# Altium PCB MotorDriver.PcbDoc
Units mil, origin at the board's own origin, x right, y up, seen from the top; angles counter-clockwise.
Board outline 2500.12 x 1320.03 mil, 2 copper layers (Top Layer, Bottom Layer); 36 components, 26 nets, 119 pads, 58 vias.
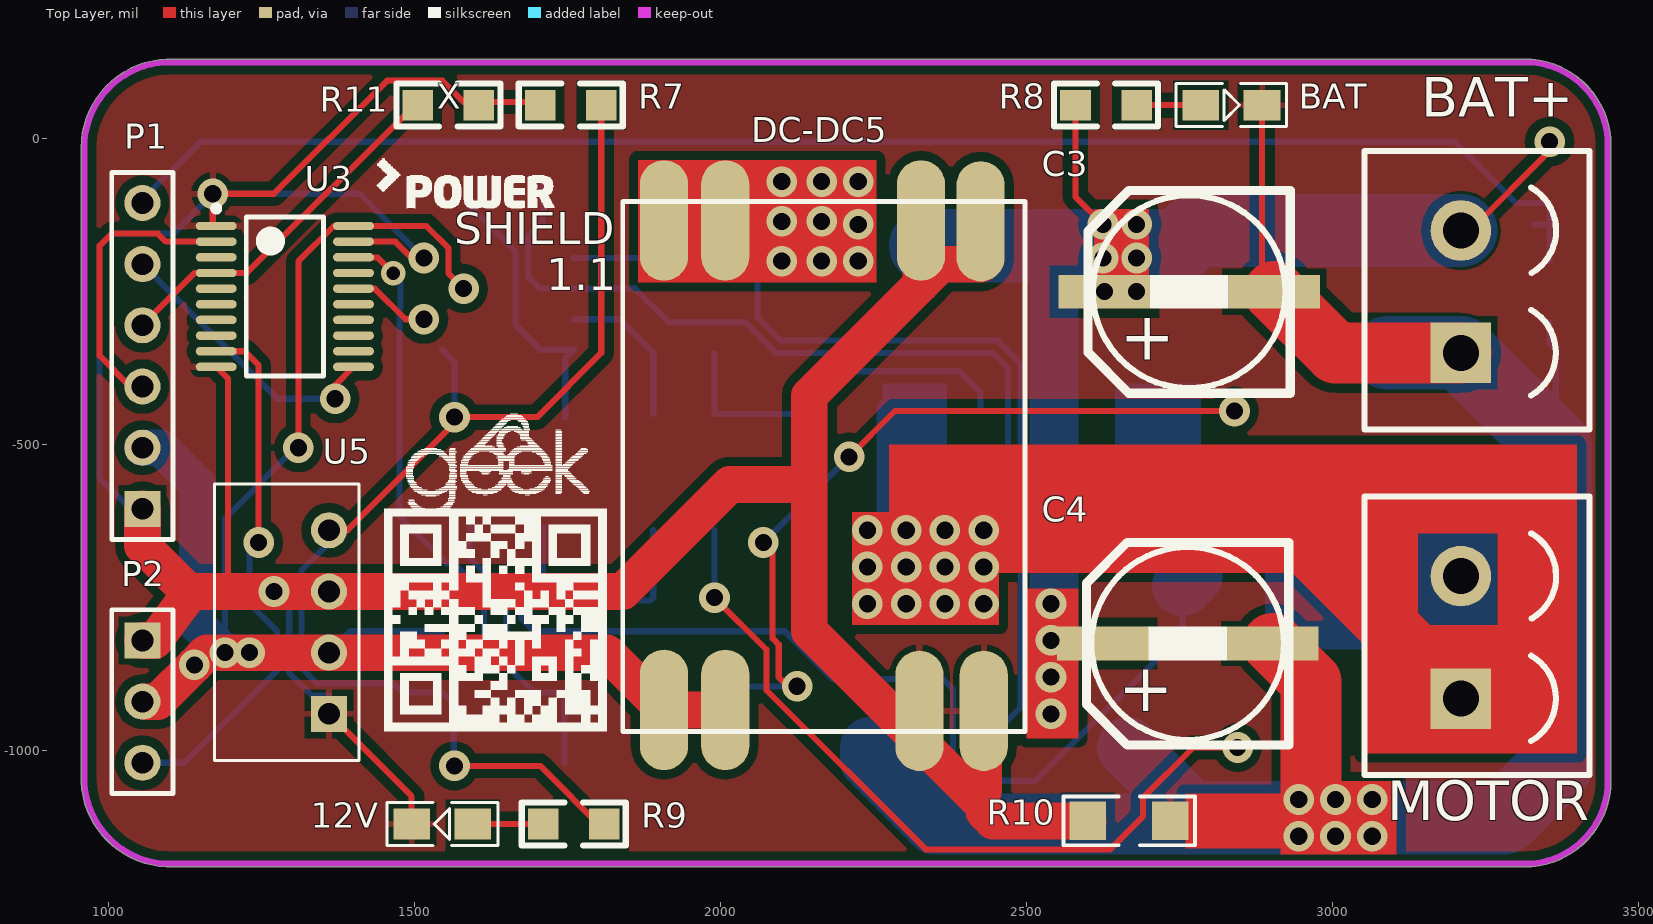
[diagram p0: Top Layer view]
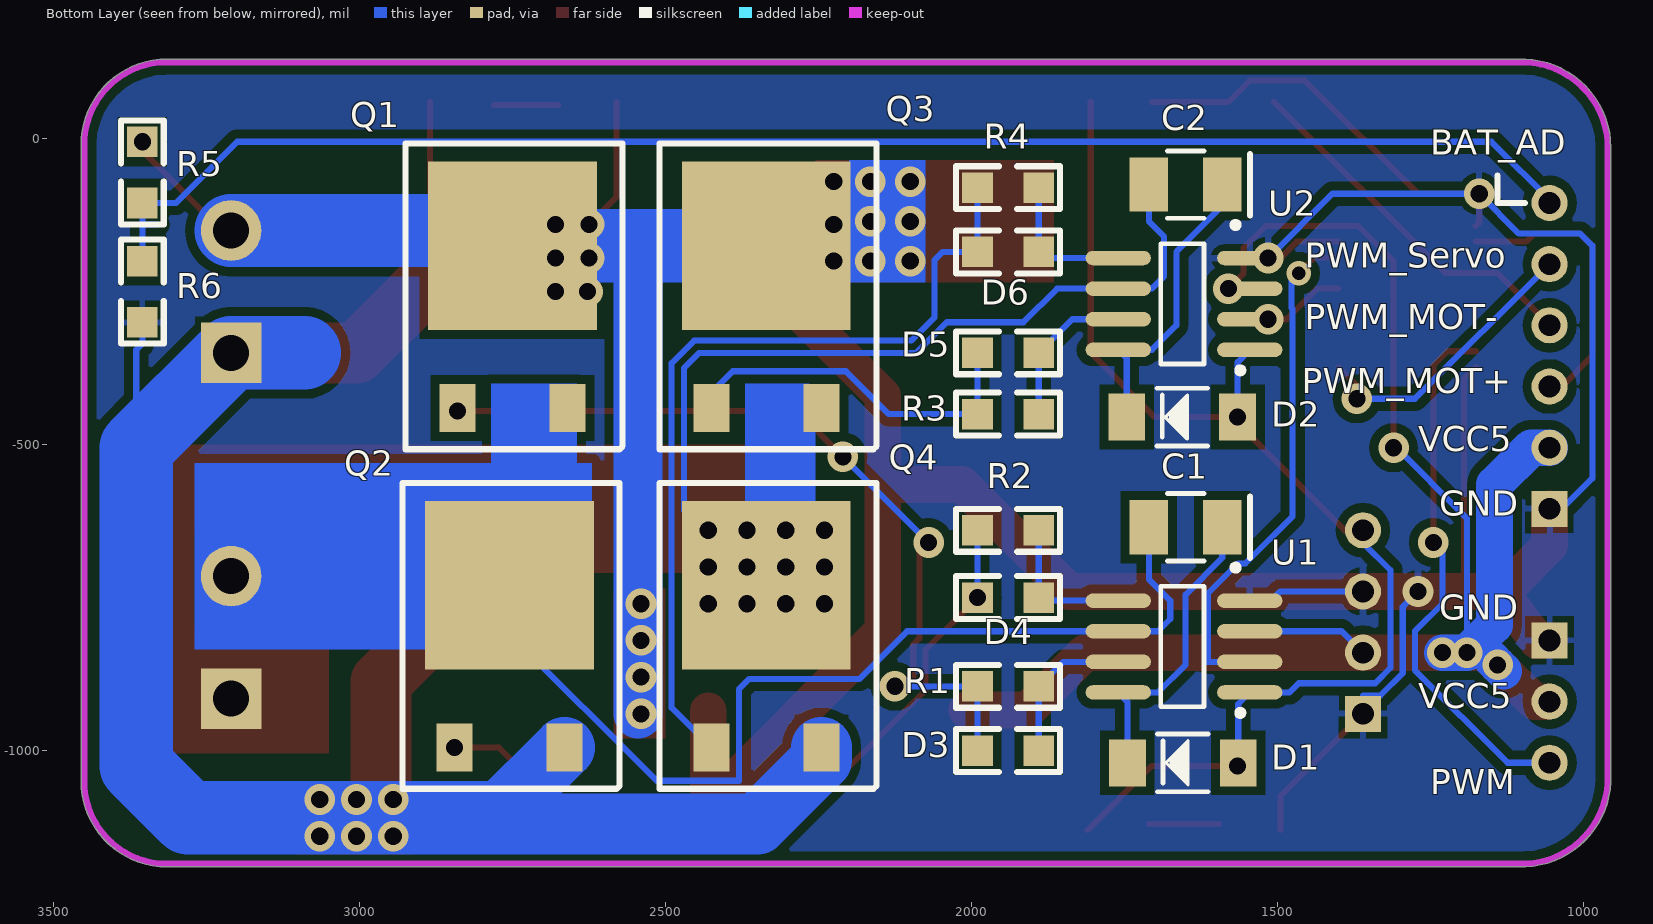
[diagram p1: Bottom Layer view, seen from below]

## Layer stack, top to bottom
Top Solder: solder mask 0.4, Solder Resist, Dk 3.5
Top Layer: signal copper 1.4
Dielectric 1: dielectric 12.6, FR-4, Dk 4.8
Bottom Layer: signal copper 1.4
Bottom Solder: solder mask 0.4, Solder Resist, Dk 3.5

## Board outline
955.11,-1051.13 cw(c960,-1050) 954.99,-1050 954.99,-15.94 cw(c959.91,-15) 954.9,-15 cw(c1100,-15) 1094.82,130.01 cw(c1095,125) 1095,130.01 3315,130.01 cw(c3315,-10) 3455.02,-10 3455.02,-1050 cw(c3315,-1050) 3315,-1190.01 1095,-1190.01 cw(c1095,-1185) 1093.87,-1189.89 cw(c1100,-1045)

## Design rules (kind name [scope] priority, off if disabled: settings)
Clearance [All] p1: gap=10
PolygonConnect [All] p1: connectstyle=Relief reliefconductorwidth=10 reliefentries=4 polygonreliefangle="90 Angle" airgapwidth=10
RoutingVias [All] p1: holewidth=28 width=50 viastyle="Through Hole" minholewidth=10 minwidth=30 maxholewidth=28 maxwidth=50
SolderMaskExpansion [All] p1: expansion=4
Width [All] p1: maxlimit=200 minlimit=10 preferedwidth=10
30 further rules are at their usual default settings.

## Classes and differential pairs
component class MotorDriver: X

## Components (designator, comment, footprint, x,y, rotation, side; value= is the part's Value field where it differs from the comment)
12V "12V" LED_0805 1595,-1120 r180 top (schematic designator D8)
BAT "12V" LED_0805 2785,55 r0 top (schematic designator D7)
BAT+ "接线端子2P" 接线端子KF301-2P 3210,-350 r90 top (schematic designator J1)
C1 "Cap Pol1" "Cap 3528B" 1589.92,-635 r0 bottom
C2 "Cap Pol1" "Cap 3528B" 1589.92,-75 r0 bottom
C3 "cap" "cap贴片铝电解质470uF 16V" 2627.41,-250 r0 top
C4 "cap" "cap贴片铝电解质470uF 16V" 2625,-825 r0 top
D1 "1N5819" DIO-214 1563.9,-1020 r0 bottom
D2 "1N5819" DIO-214 1565,-455 r0 bottom
D3 "Diode 1N4148" 0805 1990,-1000 r180 bottom
D4 "Diode 1N4148" 0805 1990,-750 r180 bottom
D5 "Diode 1N4148" 0805 1990,-350 r180 bottom
D6 "Diode 1N4148" 0805 1990,-185 r180 bottom
DC-DC5 "DM02" DM02 2170,-535 r90 top (schematic designator U4)
MOTOR "接线端子2P" 接线端子KF301-2P 3210,-915 r90 top (schematic designator J2)
P1 "Header 6" HDR1X6 1055,-605 r90 top
P2 "Header 3" HDR1X3 1055,-820 r270 top
Q1 "MOSFET-N" TO-252 2745,-177.5 r180 bottom
Q2 "MOSFET-N" TO-252 2750,-732.5 r180 bottom
Q3 "MOSFET-N" TO-252 2330,-177.5 r180 bottom
Q4 "MOSFET-N" TO-252 2330,-732.5 r180 bottom
R1 "Res_" 0805 1890,-895 r0 bottom
R2 "Res_" 0805 1890,-640 r0 bottom
R3 "Res_" 0805 1990,-450 r180 bottom
R4 "Res_" 0805 1990,-80 r180 bottom
R5 "Res_" 0805 3355,-105 r90 bottom
R6 "Res_" 0805 3355,-300 r90 bottom
R7 "Res_" 0805 1705,55 r0 top
R8 "Res_" 0805 2580,55 r0 top
R9 "Res_" 0805 1810,-1120 r180 top
R10 "Res_" 1206 2600.35,-1115 r0 top
R11 "Res_" 0805 1605,55 r180 top
U1 "IR2104s" IR2104-SOIC8 1655,-830 r0 bottom
U2 "IR2104s" IR2104-SOIC8 1655,-270 r0 bottom
U3 "SN74HC244PW" 74HC244-TSOP 1175.59,-142.64 r0 top
U5 "B0512S-1W" B0512S-1W 1360,-940 r90 top

## Footprints (in the part's own frame and the unit in brackets; to place one, negate y for a bottom-side part, rotate by r counter-clockwise, add the part's x,y. Pads: shape width x height; smd on the part's side, far side on the other; paste and mask are expansions set on the pad)
74HC244-TSOP [mm] "TSOP"
  oval 1.7x0.35 smd: 1(0,0) 2(0,-0.65) 3(0,-1.3) 4(0,-1.95) 5(0,-2.6) 6(0,-3.25) 7(0,-3.9) 8(0,-4.55) 9(0,-5.2) 10(0,-5.85) 11(5.7,-5.85) 12(5.7,-5.2) 13(5.7,-4.55) 14(5.7,-3.9) 15(5.7,-3.25) 16(5.7,-2.6) 17(5.7,-1.95) 18(5.7,-1.3) 19(5.7,-0.65) 20(5.7,0)
  silkscreen extent -0.12,-6.22 4.45,0.85, body extent 0.6,-6.23 5.1,0.38, height 1.2
0805 [mil] "Chip Capacitor, 2-Leads, Body 2.0x1.3mm, IPC Medium Density"
  rect 50x50 smd: 1(0,0) 2(100,0)
  silkscreen extent -35,-35 135,35
1206 [mm]
  rect 1.52x1.6 smd: 1(0,0) 2(3.42,0)
  silkscreen extent -1.02,-1.02 4.44,1.02
B0512S-1W [mm]
  rect 1.5x1.5 hole 0.9: 1(0,0)
  round 1.5 hole 0.9: 2(2.54,0) 3(5.08,0) 4(7.62,0)
  silkscreen extent -1.94,-1.25 9.54,4.75
"Cap 3528B" [mm]
  rect 1.6x2.25 smd: 1(0,0) 2(3.05,0)
  silkscreen extent -1.14,-1.4 2.29,1.8, body extent -0.23,-1.4 3.27,1.4, height 1.9
"cap贴片铝电解质470uF 16V" [mm] "铝电解质 470uF 16V"
  rect 3.8x1.4 smd: 1(0,0) 2(7.051,0)
  silkscreen extent -0.69,-4.22 7.71,4.2
DIO-214 [mm] "Diode"
  rect 1.524x1.95 smd: 1(0,0) 2(4.6,0)
  silkscreen extent 1.25,-1.2 3.35,1.2, body extent 0.18,-1.2 4.42,1.19, height 3
DM02 [mm]
  oval 5x2 smd: 1(-10.125,6.667) 2(-10.125,4.127) 3(-10.16,-3.937) 4(-10.16,-6.604) 5(10.16,-6.477) 6(10.195,-4) 7(10.195,4.128) 8(10.195,6.667)
  silkscreen extent -11.01,-8.32 10.99,8.38
HDR1X3 [mm] "Connector; Header; 3 Position"
  rect 1.5x1.5 hole 0.9: 1(0,0)
  round 1.5 hole 0.9: 2(2.54,0) 3(5.08,0)
  silkscreen extent -1.27,-1.27 6.35,1.27
HDR1X6 [mm] "Connector; Header; 6 Position"
  rect 1.5x1.5 hole 0.9: 1(0,0)
  round 1.5 hole 0.9: 2(2.54,0) 3(5.08,0) 4(7.62,0) 5(10.16,0) 6(12.7,0)
  silkscreen extent -1.27,-1.27 13.97,1.27
IR2104-SOIC8 [mil] "SOIC8"
  oval 106.61x23.62 smd: 1(-110,75) 2(-110,25) 3(-110,-25) 4(-110,-75) 5(105,-75) 6(105,-25) 7(105,25) 8(105,75)
  silkscreen extent -99,-98 35,113, body extent -77,-96 77,96, height 69
LED_0805 [mil]
  rect 60x50 smd: 1(0,0) 2(100,0)
  silkscreen extent -41,-35 140,35
TO-252 [mil]
  rect 275.59x275.59 smd: 1(-5,2.5)
  rect 59.06x78.74 smd: 2(-95,-262.5) 3(85,-262.5)
  silkscreen extent -180,-330 175,170
接线端子KF301-2P [mil] "脚距5.08mm"
  rect 99x99 hole 59.06: 1(0,0)
  round 99 hole 59.06: 2(200,0)
  silkscreen extent -125,-210 330,157

## Part data
12V BAT: library part LED_
C1 C2: "Polarized Capacitor (Radial)"
D1 D2: library part 1N4007
D3 D4 D5 D6: "High Conductance Fast Diode"
DC-DC5: "DC-DC 5V"
P1: "Header, 6-Pin"
P2: "Header, 3-Pin"
Q1 Q2 Q3 Q4: "N-Channel MOSFET"
U1 U2: library part 2014s
U3: library part SN74LVC244APW, "Octal Buffer/Driver with 3-State Outputs"

## Via types
v1: diameter 50, hole 28, Top Layer to Bottom Layer, 57 vias
v2: diameter 40, hole 22, Top Layer to Bottom Layer, 1 vias

## Nets (pads, with @x,y where several pads share a name; then routed paths per layer and width w, separated by ;. In a path a pad name is that pad's centre, name@x,y a point inside that pad or via, vN(x,y) a via of type N, cw(c..) or ccw(c..) an arc to the next point about the centre after c; other vN are vias at no path point)
AGND: BAT+.1 BAT.2 C3.2 C4.2 Q2.3 Q4.3 R6.1 R10.2 | length 3454.4
  Top Layer w10: BAT.2@2885,60 BAT.2 2885,-230 C3.2
  Top Layer w100: C4.2 2965,-887.41 2965,-1115 ; C3.2 3005,-350 BAT+.1
  Bottom Layer w10: R6.1 3355,-335 3365,-345 3365,-505
  Bottom Layer w100: Q4.3 2245,-1015 2350,-1120 2790,-1120 2780,-1110 Q2.3
  Bottom Layer w120: 2780,-1110 3280,-1110 3365,-1025 3365,-505 BAT+.1 3090,-350
  other v1: 2945,-1140 3005,-1140 3065,-1140 2945,-1080 3005,-1080 3065,-1080
BAT: BAT+.2 C3.1 C4.1 DC-DC5.7 DC-DC5.8 Q1.1 Q3.1 R5.2 R8.1 | length 2082.8
  Top Layer w10: R8.1@2580,60 R8.1 2580,-95 v1(2625,-140) ; BAT+.2 3225,-150 3355,-20 v1(3355,-5)
  Bottom Layer w80: v1@2545,-940 2545,-175
  Bottom Layer w120: Q3.1 2545,-175 Q1.1 2775,-150 BAT+.2
  other v1: 2540,-940 2540,-880 2540,-820 2540,-760 2627.41,-250 2680,-250 2100,-200 2165,-200 2225,-200 2625,-195 2680,-195 2225,-140 2680,-140 2100,-135 2165,-135 2100,-70 2165,-70 2225,-70
BAT_AD: P1.6 R5.1 R6.2 | length 2522.8
  Bottom Layer w10: P1.6@1035,-105 1050,-105 1150,-5 3200,-5 3300,-105 R5.1 3355,-140 ; 3330,-140 3355,-140 ; R6.2 3355,-140
DGND: 12V.2 DC-DC5.3 DC-DC5.4 DC-DC5.5 DC-DC5.6 P1.1 P2.1 R7.1 R10.1 R11.1 U1.4 U2.4 U3.1 U3.10 U3.19 U5.1 U5.3 | length 5919.6
  Top Layer w10: U3.10 1195,-392.36 1195,-740 ; U3.1 1170,-137.05 v1(1170,-90) 1270,-90 1455,95 1545,95 1580,60 R7.1@1705,60 ; U5.1 1495,-1075 12V.2 12V.2@1495,-1130 ; U3.19 1468.23,-168.23 1495,-195 v1(1515,-195)
  Top Layer w60: P2.1 1075,-820 1135,-740 1195,-740 v1(1270,-740) U5.3 1840,-740 2015,-565 2145,-565 ; P1.1 1055,-665 1122.5,-732.5 ; DC-DC5.6 2327.5,-237.5 ; DC-DC5.5 2425,-205 2360,-205 2327.5,-237.5 ; 2430,-1065 DC-DC5.4 ; R10.1 2445,-1115 2430,-1100 2430,-1090 2145,-805 2145,-565 ; 2145,-565 2145,-420 2327.5,-237.5
  Bottom Layer w10: P1.1 1035,-605 985,-555 985,-175 1005,-155 1105,-155 v1(1170,-90) 1410,-90 v1(1515,-195) ; v1(1270,-740) 1295,-765 1295,-873.28 1331.72,-910 1360,-910 U5.1 ; U5.3 1495,-740 U1.4@1507.5,-752.5
HO_A_1: D3.2 R1.1 U1.7 | length 251.6
  Bottom Layer w10: U1.7 1850,-855 R1.1 D3.2
HO_A_2: D5.2 R3.2 U2.7 | length 252.8
  Bottom Layer w10: U2.7 1835,-295 D5.2 R3.2
LO_A_1: D4.2 R2.1 U1.5 | length 242.1
  Bottom Layer w10: U1.5 1885,-755 D4.2 R2.1
LO_A_2: D6.2 R4.2 U2.5 | length 239.1
  Bottom Layer w10: U2.5 1880,-195 D6.2 R4.2
MOTORA1: C1.2 MOTOR.2 Q1.3 Q2.1 U1.6 | length 1970.5
  Bottom Layer w10: C1.2 1710,-720 1675,-755 1675,-785 1695,-805 U1.6 2105,-805 2182.8,-882.8 2362.8,-882.8 2380,-900 2380,-1049.37 2514.37,-1049.37 2755,-808.74 Q2.1
  Bottom Layer w30: Q1.3 2660,-635 Q2.1
  Bottom Layer w100: Q2.1 Q2.1@2770,-715
MOTORA2: C2.2 MOTOR.1 Q3.3 Q4.1 U2.6 | length 2253.1
  Top Layer w100: 2265,-660 2955,-660 MOTOR.1
  Bottom Layer w10: C2.2 1710,-135 1685,-160 1685,-225 1705,-245 U2.6 1860,-245 1915,-300 2040,-300 2090,-350 2445,-350 2470,-375
  Bottom Layer w30: Q4.1@2270,-635 Q3.3@2270,-440
  other v1: 2240,-760 2303.33,-760 2366.67,-760 2430,-760 2240,-700 2303.33,-700 2366.67,-700 2430,-700 2240,-640 2303.33,-640 2366.67,-640 2430,-640
NetC1_1: C1.1 D1.2 U1.8 | length 499.7
  Bottom Layer w10: C1.1 1589.92,-684.92 1650,-745 1650,-860 1695,-905 U1.8 1745,-920 D1.2
NetC2_1: C2.1 D2.2 U2.8 | length 488.4
  Bottom Layer w10: C2.1 1589.92,-109.92 1665,-185 1665,-305 1705,-345 U2.8 1746.1,-358.9 D2.2
NetD3_1: D3.1 Q1.2 R1.2 | length 1374.4
  Top Layer w10: v1(2070,-660) 2085,-660 2085,-816.72 2095,-826.72 2095,-880 2110,-895 v1(2125,-895) ; v1(2210,-520) 2285,-445 v1(2840,-445)
  Bottom Layer w10: D3.1 R1.2 v1(2125,-895) ; v1(2070,-660) v1(2210,-520)
NetD4_1: D4.1 Q2.2 R2.2 | length 1261.3
  Top Layer w10: v1(1990,-750) 2075,-835 2075,-901.57 2334.93,-1161.5 2636.49,-1161.5 2690.08,-1107.91 2690.08,-1077.29 2772.37,-995 v1(2845,-995)
  Bottom Layer w10: v1(1990,-750) R2.2
NetD5_1: D5.1 Q3.2 R3.1 | length 603.5
  Bottom Layer w10: D5.1 R3.1 2135,-450 2205,-380 2390,-380 2425,-415 Q3.2
NetD6_1: D6.1 Q4.2 R4.1 | length 1390.4
  Bottom Layer w10: R4.1 D6.1 2047.07,-185 2060,-197.93 2060,-291.72 2098.28,-330 2453.28,-330 2490,-366.72 2490,-930 Q4.2
NetD7_1: BAT.1 R8.2 | length 105
  Top Layer w10: R8.2@2675,55 R8.2 BAT.1@2780,55
NetD8_1: 12V.1 R9.2 | length 115
  Top Layer w10: 12V.1 R9.2
PWM1: P1.3 U3.2 | length 475.1
  Top Layer w10: P1.3 1035,-405 985,-355 985,-175 1005,-155 1080,-155 1093.23,-168.23 U3.2
PWM2: P1.4 R11.2 U3.4 | length 621.2
  Top Layer w10: P1.4@1035,-305 P1.4 1140.59,-219.41 U3.4 1225.59,-219.41 R11.2@1505,60
PWM3: P1.5 U3.11 | length 490.6
  Top Layer w10: v1(1370,-425) 1370,-402.95 U3.11
  Bottom Layer w10: P1.5@1035,-205 P1.5 1275,-425 v1(1370,-425)
PWM_MOTORA1: U1.2 U3.18 | length 851.5
  Top Layer w10: U3.18 1438.82,-193.82 v2(1465,-220)
  Bottom Layer w10: v2(1465,-220) 1476.69,-231.69 1476.69,-276.74 1475,-278.43 1475,-617.08 1552.21,-694.29 1564.29,-694.29 1613.31,-743.31 1613.31,-853.31 1615,-855 U1.2
PWM_MOTORA2: U2.2 U3.16 | length 135.7
  Top Layer w10: U3.16 1435,-245 1485,-295 v1(1515,-295)
PWM_SERVO: P2.3 U3.9 | length 905
  Top Layer w10: U3.9 1222.36,-347.36 1245,-370 v1(1245,-660)
  Bottom Layer w10: P2.3@1035,-1020 P2.3 1123.64,-1020 1275,-868.64 1275,-805 1230,-760 1230,-675 v1(1245,-660)
VCC5: DC-DC5.1 DC-DC5.2 P1.2 P2.2 U1.3 U2.3 U3.20 U5.2 | length 2755.9
  Top Layer w10: v1(1310,-505) 1310,-200 1367.36,-142.64 U3.20 1519.21,-142.64 1555,-178.43 1555,-220 v1(1580,-245)
  Top Layer w60: P2.2@1060,-920 1080,-920 v1(1140,-860) 1160,-840 v1(1190,-840) v1(1230,-840) U5.2 1813.87,-840 DC-DC5.1 DC-DC5.2
  Bottom Layer w10: v1(1190,-840) 1190,-620 1310,-500 v1(1310,-505) ; U5.2 1395,-805 U1.3
  Bottom Layer w60: P1.2 1085,-505 1145,-565 1145,-795 v1(1190,-840) v1(1230,-840) ; v1@1130,-870 v1(1140,-860) v1@1150,-850
VCC12: D1.1 D2.1 R7.2 R9.1 U1.1 U2.1 U5.4 | length 2000.2
  Top Layer w10: U5.4 1390,-640 1557.5,-472.5 v1@1557.5,-452.5 ; v1(1565,-1025) 1705,-1025 R9.1@1810,-1130 ; v1(1565,-455) 1700,-455 1805,-350 R7.2 R7.2@1805,60
  Bottom Layer w10: U5.4 1360,-660 1315,-705 1315,-865 1340,-890 1465,-890 1480,-905 U1.1 1563.9,-923.9 D1.1 ; U2.1 1565,-365 v1(1565,-455)
pads on no net: U3.3 U3.5 U3.6 U3.7 U3.8 U3.12 U3.13 U3.14 U3.15 U3.17

## Polygon pours and split planes (outlines as drawn)
DGND on Top Layer "Top Layer-No Net" (solid, remove dead copper, pour order 2): 950,150 3475,150 3475,-1200 950,-1200
AGND on Top Layer "Top Layer-No Net" (solid, remove dead copper, pour order 0): 950,150 3470,150 3470,-1200 950,-1200
AGND on Bottom Layer "Top Layer-No Net" (solid, remove dead copper, pour order 6): 950,150 3475,150 3475,-1200 950,-1200
DGND on Bottom Layer "Top Layer-No Net" (solid, remove dead copper, pour order 4): 950,150 3475,150 3475,-1200 955,-1200 950,-1195

## Keep-outs
Keep-Out Layer:
  lines w10: 959.91,-15 cw(c1100,-15) 1095,125 3315,125 cw(c3315,-10) 3450,-10 3450,-1050 cw(c3315,-1050) 3315,-1185 1095,-1185 ; 960,-1050 960,-15 ; 960,-1045 ccw(c1100,-1045) 1105,-1184.91

## Other copper
Top Layer:
  rectangle net MOTORA2: 3055,-820 3140,-725
  rectangle net MOTORA2: 2975,-725 3140,-600
  rectangle net MOTORA2: 3050,-1005 3275,-795
  rectangle net MOTORA2: 3270,-1005 3400,-615
  rectangle net MOTORA2: 2275,-645 3400,-500
  rectangle net BAT: 1865,-235 2255,-35
  rectangle net AGND: 2760,-1160 2920,-1070
  rectangle net MOTORA2: 2215,-795 2455,-610
  rectangle net BAT: 2610,-225 2700,-115
  rectangle net BAT: 2500,-980 2585,-735
  rectangle net AGND: 2915,-1170 3105,-1050
Bottom Layer:
  rectangle net MOTORA1: 2620,-600 3270,-530
  rectangle net MOTORA1: 2890,-835 3270,-590
  rectangle net BAT: 2075,-235 2200,-35
  rectangle net MOTORA2: 2465,-610 2475,-375
  rectangle net MOTORA1: 2645,-570 2785,-400
  rectangle net MOTORA2: 2265,-600 2370,-400

## Silkscreen, mask and mechanical layers (free items; w line width, h text height)
Top Overlay:
  drawing of 2848 lines, arcs and shapes, not listed
  text "X" at 1575,35 h70
  text "SHIELD" at 1565,-190 h90
  text "1.1" at 1715,-265 h90
Bottom Overlay:
  lines w10: 1095,-105 1140,-105 1140,-60
  text "BAT_AD" at 1250,-40 h70
  text "PWM_Servo" at 1455,-225 h70
  text "PWM_MOT-" at 1455,-325 h70
  text "PWM_MOT+" at 1460,-430 h70
  text "VCC5" at 1270,-525 h70
  text "GND" at 1235,-630 h70
  text "GND" at 1235,-800 h70
  text "VCC5" at 1270,-945 h70
  text "PWM" at 1250,-1085 h70
Bottom Solder:
  rectangle: 2265,-600 2370,-400
  rectangle: 2645,-595 2785,-400
  lines w30: 2270,-635 2270,-440
  lines w100: 2240,-1010 2350,-1120 2790,-1120 ; 2245,-1015 2245,-995 ; 2665,-995 2780,-1110
  lines w120: 2350,-175 2560,-175 ; 2540,-175 2745,-175 ; 2775,-150 3210,-150 ; 2780,-1110 3280,-1110 3365,-1025 3365,-505 3210,-350 ; 3090,-350 3185,-350 3140,-350

## Text inside footprints (layer, text, board x,y; h text height)
C3: Top Overlay "+" at 2652.62,-360.93 h78.74
C4: Top Overlay "+" at 2650.21,-935.93 h78.74